# Altium PCB PROC054D_MMWCAS_RF_EVM.PcbDoc (part 13 of 14) (continued)
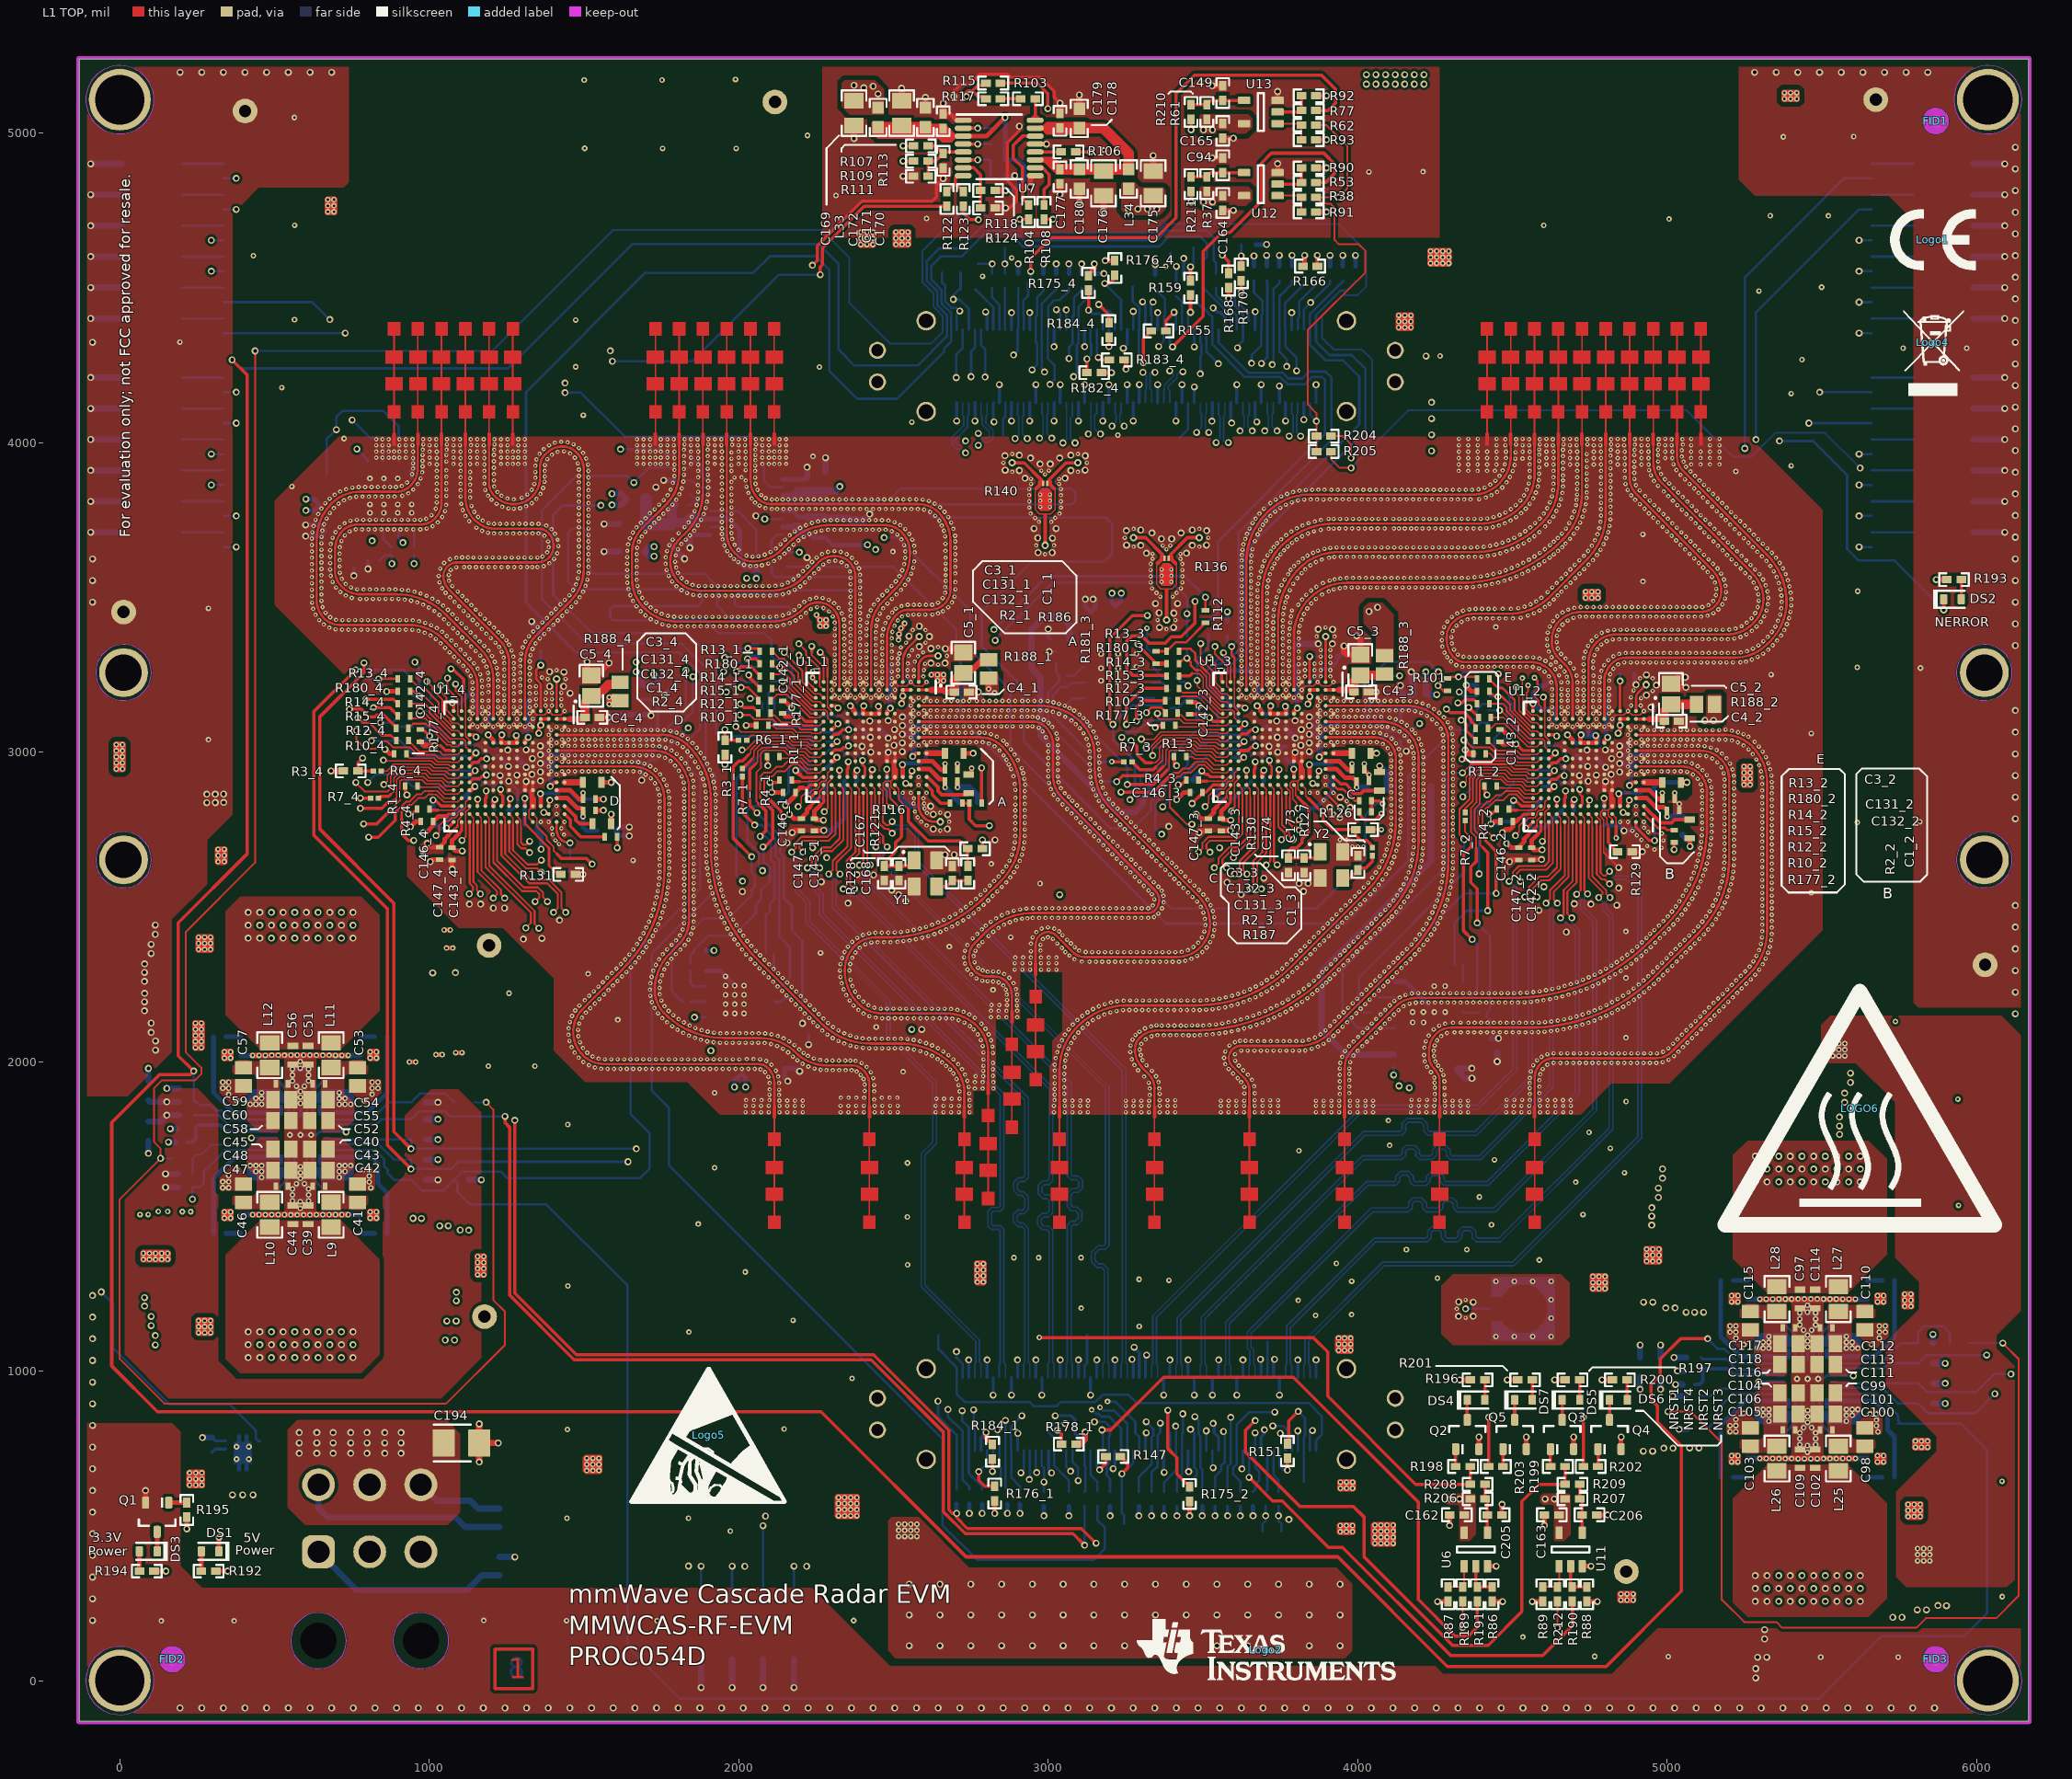
[diagram p0: L1 TOP view]
## Other copper (continued)
  region net GND: 5228.94,1253.21 5232.12,1253.21 5237.92,1247.4 5237.92,1219.74 5232.51,1214.33 5204.88,1214.33 5199.32,1219.9 5199.32,1247.49 5205.05,1253.22 5228.2,1253.22
  region net GND: 5793,749.48 5798.42,744.06 5846.37,744.06 5851.74,749.36 5851.74,778.3 5846.48,783.56 5798,783.56 5792.71,778.28 5793,777.99
  region net AWR_2_1V0_RF1_FILT: 5805.08,436.36 5799.8,431.08 5800.08,430.8 5800.08,382.89 5806.26,376.72 5852.39,376.72 5858.82,383.15 5858.82,431.1 5853.56,436.36
  region net AWR_2_1V0_RF2_FILT: 5774.35,579.38 5769.06,574.1 5769.34,573.81 5769.34,525.91 5775.52,519.73 5821.66,519.73 5828.09,526.16 5828.09,574.12 5822.82,579.38
  region net AWR_1_1V0_RF2_FILT: 2761.15,1302.47 2761.15,1284.2 2767.54,1277.81 2794.49,1277.81 2800.93,1284.25 2800.93,1351 2795.01,1356.92 2766.59,1356.92 2761.14,1351.48 2761.14,1302.48
  region net AWR_2_1V2_FILT: 4755.72,1315.7 4750.43,1310.42 4750.71,1310.13 4750.71,1262.23 4756.89,1256.05 4803.03,1256.05 4809.46,1262.48 4809.46,1310.44 4804.19,1315.7
  region net AWR_3_1V8_FILT: 4929.6,1404.03 4924.32,1398.74 4924.6,1398.46 4924.6,1350.56 4930.78,1344.38 4976.91,1344.38 4983.34,1350.81 4983.34,1398.77 4978.08,1404.03
  region net SYSTEM_5V0: 3939.25,650.91 3988.25,650.91 3993.69,645.46 3993.69,617.04 3987.77,611.12 3939.96,611.12 3934.04,617.04 3934.04,645.7 3939.24,650.9
  region net SYSTEM_5V0: 3938.79,510.36 3987.79,510.36 3993.24,504.92 3993.24,476.5 3987.32,470.57 3939.51,470.57 3933.59,476.5 3933.59,505.16 3938.79,510.35
  region net GND: 4119.13,512.68 4123.93,507.89 4123.93,437.77 4118.78,432.62 4050.85,432.62 4043.44,440.03 4043.44,505.72 4050.4,512.68
  region net AWR_3_1V2_FILT: 3927.84,1110.58 3933.19,1115.94 3982.82,1115.94 3987.48,1111.28 3987.48,1062.72 3981.35,1056.58 3934.18,1056.58 3927.84,1062.92
  region net GND: 2385.84,602.06 2390.64,597.26 2390.64,527.15 2385.49,522 2317.55,522 2310.15,529.4 2310.15,595.1 2317.11,602.06
  region net AWR_1_1V0_RF2_FILT: 1496.65,721.57 1496.65,676.41 1497.73,675.32 1504.94,668.12 1552.12,668.12 1558.09,674.09 1558.09,723.96 1553.52,728.53 1503.61,728.53
  region net GND: 5191.77,1156.41 5191.77,1118.51 5235.66,1074.61 5254.42,1074.61 5260.41,1080.6 5260.41,1137.89 5237.16,1161.14 5196.5,1161.14 5191.77,1156.41
  region net GND: 5716.76,1156.41 5716.76,1118.51 5672.86,1074.61 5654.11,1074.61 5648.11,1080.6 5648.11,1137.89 5671.36,1161.14 5712.03,1161.14 5716.75,1156.41
  region net GND: 5191.77,793.81 5191.77,831.71 5235.66,875.6 5254.42,875.6 5260.41,869.61 5260.41,812.33 5237.16,789.07 5196.5,789.07 5191.77,793.8
  region net GND: 5694.62,799.08 5694.63,860.05 5679.07,875.6 5654.11,875.6 5644.92,866.42 5644.92,822.29 5674.44,792.77 5688.3,792.77
  region net GND: 5434.21,1071.1 5441.91,1063.4 5466.2,1063.4 5473.9,1071.1 5473.9,1113.59 5499.23,1138.92 5499.23,1196.56 5511.8,1209.13 5622.3,1209.13 5629.68,1216.51 5629.68,1242.04 5615.72,1256 5290.2,1256 5273.64,1239.45 5273.64,1223.69 5286.61,1210.72 5392.52,1210.72 5408.48,1194.77 5408.48,1137.52 5434.21,1111.79
  region net GND: 5434.21,879.11 5441.91,886.81 5466.2,886.81 5473.9,879.11 5473.9,836.63 5499.23,811.3 5499.23,753.65 5511.8,741.08 5622.3,741.08 5629.68,733.7 5629.68,708.17 5615.72,694.21 5290.2,694.21 5273.64,710.77 5273.64,726.52 5286.61,739.49 5392.52,739.49 5408.48,755.45 5408.48,812.69 5434.21,838.42
  region net GND: 321.04,1944.26 321.04,1906.36 364.94,1862.47 383.69,1862.47 389.69,1868.46 389.69,1925.74 366.44,1948.99 325.77,1948.99 321.05,1944.27
  region net GND: 846.03,1944.26 846.03,1906.36 802.14,1862.47 783.38,1862.47 777.39,1868.46 777.39,1925.74 800.64,1948.99 841.3,1948.99 846.03,1944.27
  region net GND: 321.04,1581.66 321.04,1619.56 364.94,1663.46 383.69,1663.46 389.69,1657.46 389.69,1600.18 366.44,1576.93 325.77,1576.93 321.05,1581.66
  region net GND: 823.89,1586.94 823.9,1647.9 808.34,1663.46 783.38,1663.46 774.2,1654.27 774.2,1610.14 803.71,1580.62 817.58,1580.62
  region net GND: 563.48,1858.96 571.18,1851.26 595.48,1851.26 603.18,1858.96 603.18,1901.44 628.51,1926.77 628.51,1984.42 641.07,1996.98 751.58,1996.98 758.96,2004.36 758.96,2029.9 745,2043.86 419.47,2043.86 402.92,2027.3 402.92,2011.54 415.88,1998.58 521.8,1998.58 537.75,1982.62 537.75,1925.38 563.48,1899.65
  region net GND: 563.48,1666.97 571.18,1674.67 595.48,1674.67 603.18,1666.97 603.18,1624.48 628.51,1599.15 628.51,1541.51 641.07,1528.94 751.58,1528.94 758.96,1521.56 758.96,1496.03 745,1482.07 419.47,1482.07 402.92,1498.62 402.92,1514.38 415.88,1527.34 521.8,1527.34 537.75,1543.3 537.75,1600.55 563.48,1626.28
  pour cut-out: 5190.73,1216.47 5240.4,1166.8 5240.4,783.76 5190.76,734.11 5190.76,698.93 5201.13,688.55 5707.18,688.55 5717.89,699.27 5717.89,733.99 5668.25,783.63 5668.25,1166.58 5717.88,1216.21 5717.88,1251.17 5707.39,1261.66 5201.13,1261.66 5190.73,1251.25
  region net SYSTEM_3V3: 215.58,674.66 215.58,627.6 222.37,620.82 269.86,620.82 274.57,625.52 274.57,676.3 270.08,680.79 221.71,680.79
  text "6" at 1253.03,7.89 h65
  text ".Layer_Name" at 445.07,-990.08 h60
L7 GND:
  region net AWR_1_1V0_RF2_FILT: 2620.92,3259.25 2665.33,3259.25 2670.56,3254.02 2670.56,3226.92 2665.38,3221.74 2638.48,3221.74 2633.14,3227.07 2633.14,3239.54 2631.24,3241.45 2618.47,3241.45 2613.33,3246.59 2613.33,3251.44
  region net SYSTEM_5V0: 2515.39,514.41 2579.92,514.41 2585.03,509.31 2585.03,461.62 2579.6,456.18 2512.89,456.18 2507.35,461.73 2507.35,508.77 2513,514.41 2515.32,514.41
  region net AWR_1_1V8_FILT: 2509.9,3360.96 2509.9,3384.51 2515.63,3390.24 2515.63,3402.55 2526.45,3413.37 2526.45,3418.78 2532.18,3424.51 2537.8,3424.51 2543.21,3419.1 2543.21,3410.19 2535.36,3402.34 2535.36,3398.41 2526.77,3389.82 2526.77,3375.28 2525.18,3373.69 2525.18,3361.59 2519.87,3356.29
  region net AWR_1_1V0_RF1_FILT: 2242.48,3438.84 2253.42,3427.91 2253.42,3403.17 2258.55,3398.04 2285.85,3398.04 2291.36,3403.54 2291.36,3430.62 2286.08,3435.9 2264.2,3435.9 2260.58,3439.52 2260.58,3446.84 2255.3,3452.12 2247.64,3452.12 2242.48,3446.96
  region net SYSTEM_3V3: 4845.85,289.56 4894.85,289.56 4900.29,284.12 4900.29,255.7 4894.37,249.77 4846.56,249.77 4840.64,255.7 4840.64,284.36 4845.84,289.55
  region net AWR_1_1V0_RF1_FILT: 1146.34,1308.09 1152.4,1302.04 1179.47,1302.04 1186.13,1308.64 1186.13,1374.29 1180.2,1380.21 1151.78,1380.21 1146.34,1374.77
  region net AWR_1_1V2_FILT: 250.75,1173.19 244.84,1167.28 244.84,1120.13 251.44,1113.54 296.41,1113.54 303.01,1120.13 303.01,1166.96 296.78,1173.19
  region net AWR_4_1V2_FILT: 158.43,1351.31 164.02,1356.9 164.02,1385.06 157.98,1391.1 72,1391.1 66.08,1385.18 66.08,1356.76 71.53,1351.31
  region net AWR_1_1V8_FILT: 234.22,2041.49 239.81,2035.9 267.97,2035.9 274.01,2041.94 274.01,2127.92 268.09,2133.84 239.67,2133.84 234.22,2128.39
  region net AWR_4_1V8_FILT: 250.75,2411.83 244.84,2405.92 244.84,2358.78 251.44,2352.18 296.41,2352.18 303.01,2358.78 303.01,2405.6 296.78,2411.83
  region net SYSTEM_1V8: 307.86,2641.07 307.86,2690.07 313.3,2695.51 341.72,2695.51 347.65,2689.59 347.65,2641.78 341.72,2635.86 313.06,2635.86 307.87,2641.06
  region net AWR_4_1V2_FILT: -21.09,2941.66 -15.5,2936.08 12.66,2936.08 18.7,2942.12 18.7,3028.09 12.78,3034.02 -15.64,3034.02 -21.09,3028.57
  region net SYSTEM_1V8: 662.48,4740.5 662.48,4789.5 667.93,4794.94 696.35,4794.94 702.27,4789.02 702.27,4741.22 696.35,4735.29 667.69,4735.29 662.49,4740.49
  region net GND: 2389.91,4689.37 2384.62,4684.08 2384.9,4683.8 2384.9,4635.9 2391.08,4629.72 2437.22,4629.72 2443.65,4636.15 2443.65,4684.1 2438.39,4689.37
  region net SYSTEM_5V0: 2503.12,4689.87 2497.84,4684.58 2498.12,4684.3 2498.12,4636.39 2504.3,4630.22 2550.43,4630.22 2556.87,4636.65 2556.87,4684.6 2551.6,4689.87
  region net SYSTEM_5V0: 4128.16,4421 4122.87,4415.71 4123.16,4415.43 4123.16,4367.52 4129.33,4361.35 4175.47,4361.35 4181.9,4367.78 4181.9,4415.73 4176.64,4421
  region net SYSTEM_3V3: 5428.5,5134.79 5423.08,5140.21 5375.13,5140.21 5369.76,5134.91 5369.76,5105.96 5375.02,5100.7 5423.5,5100.7 5428.78,5105.99 5428.5,5106.27
  region net AWR_2_1V0_RF1_FILT: 4785.96,3522.44 4780.54,3527.86 4732.59,3527.86 4727.22,3522.56 4727.22,3493.62 4732.48,3488.36 4780.96,3488.36 4786.25,3493.64 4785.96,3493.93
  region net AWR_2_1V0_RF2_FILT: 5238.93,2890.61 5244.61,2884.92 5272.41,2884.92 5278.44,2890.95 5278.44,2957.75 5273.13,2963.12 5244.19,2963.12 5238.93,2957.86
  region net AWR_2_1V0_RF1_FILT: 5530.8,2067.9 5525.52,2062.62 5525.8,2062.33 5525.8,2014.43 5531.98,2008.25 5578.11,2008.25 5584.55,2014.69 5584.55,2062.64 5579.28,2067.9
  region net PMIC2_VIN_B3: 5338.43,1070.07 5333.25,1064.89 5287.55,1064.89 5282.54,1069.9 5282.54,1078.84 5324.94,1121.23 5332.95,1121.23 5338.43,1115.76
  region net PMIC2_VIN_B2: 5570.1,1070.07 5575.28,1064.89 5620.98,1064.89 5625.98,1069.9 5625.98,1078.84 5583.59,1121.23 5575.57,1121.23 5570.1,1115.76
  region net PMIC2_VIN_B0: 5570.1,880.14 5575.28,885.32 5620.98,885.32 5625.98,880.31 5625.98,871.38 5583.59,828.98 5575.57,828.98 5570.1,834.46
  region net PMIC2_VIN_B1: 5338.43,880.14 5333.25,885.32 5287.55,885.32 5282.54,880.31 5282.54,871.38 5324.94,828.98 5332.95,828.98 5338.43,834.46
  region net PMIC1_VIN_B3: 467.7,1857.93 462.53,1852.75 416.83,1852.75 411.82,1857.75 411.82,1866.69 454.22,1909.09 462.23,1909.09 467.7,1903.61
  region net PMIC1_VIN_B2: 699.37,1857.93 704.55,1852.75 750.25,1852.75 755.26,1857.75 755.26,1866.69 712.86,1909.09 704.85,1909.09 699.37,1903.61
  region net PMIC1_VIN_B0: 699.37,1668 704.55,1673.18 750.25,1673.18 755.26,1668.17 755.26,1659.23 712.86,1616.84 704.85,1616.84 699.37,1622.31
  region net PMIC1_VIN_B1: 467.7,1668 462.53,1673.18 416.83,1673.18 411.82,1668.17 411.82,1659.23 454.22,1616.84 462.23,1616.84 467.7,1622.31
  region net AWR_2_1V0_RF1_FILT: 5805.08,436.36 5799.8,431.08 5800.08,430.8 5800.08,382.89 5806.26,376.72 5852.39,376.72 5858.82,383.15 5858.82,431.1 5853.56,436.36
  region net AWR_2_1V0_RF2_FILT: 5774.35,579.38 5769.06,574.1 5769.34,573.81 5769.34,525.91 5775.52,519.73 5821.66,519.73 5828.09,526.16 5828.09,574.12 5822.82,579.38
  region net AWR_1_1V0_RF2_FILT: 2761.15,1302.47 2761.15,1284.2 2767.54,1277.81 2794.49,1277.81 2800.93,1284.25 2800.93,1351 2795.01,1356.92 2766.59,1356.92 2761.14,1351.48 2761.14,1302.48
  region net AWR_2_1V2_FILT: 4755.72,1315.7 4750.43,1310.42 4750.71,1310.13 4750.71,1262.23 4756.89,1256.05 4803.03,1256.05 4809.46,1262.48 4809.46,1310.44 4804.19,1315.7
  region net AWR_3_1V8_FILT: 4929.6,1404.03 4924.32,1398.74 4924.6,1398.46 4924.6,1350.56 4930.78,1344.38 4976.91,1344.38 4983.34,1350.81 4983.34,1398.77 4978.08,1404.03
  region net SYSTEM_5V0: 3939.25,650.91 3988.25,650.91 3993.69,645.46 3993.69,617.04 3987.77,611.12 3939.96,611.12 3934.04,617.04 3934.04,645.7 3939.24,650.9
  region net SYSTEM_5V0: 3938.79,510.36 3987.79,510.36 3993.24,504.92 3993.24,476.5 3987.32,470.57 3939.51,470.57 3933.59,476.5 3933.59,505.16 3938.79,510.35
  region net GND: 4119.13,512.68 4123.93,507.89 4123.93,437.77 4118.78,432.62 4050.85,432.62 4043.44,440.03 4043.44,505.72 4050.4,512.68
  region net AWR_3_1V2_FILT: 3927.84,1110.58 3933.19,1115.94 3982.82,1115.94 3987.48,1111.28 3987.48,1062.72 3981.35,1056.58 3934.18,1056.58 3927.84,1062.92
  region net AWR_1_1V0_RF2_FILT: 1496.65,721.57 1496.65,676.41 1497.73,675.32 1504.94,668.12 1552.12,668.12 1558.09,674.09 1558.09,723.96 1553.52,728.53 1503.61,728.53
  pour cut-out: 5312.21,776.26 5312.21,740.08 5315.51,736.78 5394.92,736.78 5399.35,741.21 5399.35,776.68 5396.27,779.76 5315.72,779.76
  pour cut-out: 5508.99,776.26 5508.99,740.08 5512.29,736.78 5591.7,736.78 5596.13,741.21 5596.13,776.68 5593.05,779.76 5512.5,779.76
  pour cut-out: 5508.99,1209.18 5508.99,1173 5512.29,1169.71 5591.7,1169.71 5596.13,1174.14 5596.13,1209.61 5593.05,1212.69 5512.5,1212.69
  pour cut-out: 5312.21,1209.18 5312.21,1173 5315.51,1169.71 5394.92,1169.71 5399.35,1174.14 5399.35,1209.61 5396.27,1212.69 5315.72,1212.69
  pour cut-out: 638.27,1564.11 638.27,1527.93 641.57,1524.64 720.98,1524.64 725.41,1529.07 725.41,1564.54 722.33,1567.62 641.78,1567.62
  pour cut-out: 441.49,1564.11 441.49,1527.93 444.79,1524.64 524.19,1524.64 528.63,1529.07 528.63,1564.54 525.55,1567.62 444.99,1567.62
  pour cut-out: 441.49,1997.04 441.49,1960.86 444.79,1957.56 524.19,1957.56 528.63,1961.99 528.63,1997.46 525.55,2000.54 444.99,2000.54
  pour cut-out: 638.27,1997.04 638.27,1960.86 641.57,1957.56 720.98,1957.56 725.41,1961.99 725.41,1997.46 722.33,2000.54 641.78,2000.54
  pour cut-out: 1317.77,2696.74 1317.77,2690.42 1329.87,2690.53 1329.87,2711.78 1324,2711.78
  pour cut-out: 2192.66,2682.81 2186.34,2682.81 2186.45,2670.7 2207.7,2670.7 2207.7,2676.58
  pour cut-out: 2464.68,2700.17 2458.36,2700.17 2458.47,2688.06 2479.72,2688.06 2479.72,2693.94
  pour cut-out: 4510.66,2588.93 4504.34,2588.93 4504.45,2576.83 4525.7,2576.83 4525.7,2582.7
  region net SYSTEM_3V3: 215.58,674.66 215.58,627.6 222.37,620.82 269.86,620.82 274.57,625.52 274.57,676.3 270.08,680.79 221.71,680.79
  text "7" at 1253.45,6.63 h65
  text ".Layer_Name" at 445.07,-990.08 h60
L8 BOTTOM:
  region net SYSTEM_3V3: 4845.85,289.56 4894.85,289.56 4900.29,284.12 4900.29,255.7 4894.37,249.77 4846.56,249.77 4840.64,255.7 4840.64,284.36 4845.84,289.55
  region net SYSTEM_1V8: 662.48,4740.5 662.48,4789.5 667.93,4794.94 696.35,4794.94 702.27,4789.02 702.27,4741.22 696.35,4735.29 667.69,4735.29 662.49,4740.49
  region net SYSTEM_3V3: 5428.5,5134.79 5423.08,5140.21 5375.13,5140.21 5369.76,5134.91 5369.76,5105.96 5375.02,5100.7 5423.5,5100.7 5428.78,5105.99 5428.5,5106.27
  region net AWR_2_1V0_RF1_FILT: 5530.8,2067.9 5525.52,2062.62 5525.8,2062.33 5525.8,2014.43 5531.98,2008.25 5578.11,2008.25 5584.55,2014.69 5584.55,2062.64 5579.28,2067.9
  region net AWR_1_1V0_RF2_FILT: 2761.15,1302.47 2761.15,1284.2 2767.54,1277.81 2794.49,1277.81 2800.93,1284.25 2800.93,1351 2795.01,1356.92 2766.59,1356.92 2761.14,1351.48 2761.14,1302.48
  region net AWR_2_1V2_FILT: 4755.72,1315.7 4750.43,1310.42 4750.71,1310.13 4750.71,1262.23 4756.89,1256.05 4803.03,1256.05 4809.46,1262.48 4809.46,1310.44 4804.19,1315.7
  region net AWR_3_1V8_FILT: 4929.6,1404.03 4924.32,1398.74 4924.6,1398.46 4924.6,1350.56 4930.78,1344.38 4976.91,1344.38 4983.34,1350.81 4983.34,1398.77 4978.08,1404.03
  region net PMIC2_VIN_B3: 5376.31,1078.65 5362.2,1064.54 5284.85,1064.54 5281.38,1068 5281.38,1101.76 5301.75,1122.13 5387.72,1122.13 5390.67,1119.18 5419.81,1090.03 5419.81,1067.82 5419.81,1036.92 5409.97,1036.92 5409.97,1068.81 5400.13,1078.65
  region net PMIC2_VIN_B2: 5532.22,1078.65 5546.33,1064.54 5623.68,1064.54 5627.14,1068 5627.14,1101.76 5606.77,1122.13 5520.81,1122.13 5517.86,1119.18 5488.71,1090.03 5488.71,1067.82 5488.71,1036.92 5498.55,1036.92 5498.55,1068.81 5508.4,1078.65
  region net PMIC2_VIN_B1: 5376.31,871.56 5362.2,885.67 5284.85,885.67 5281.38,882.21 5281.38,848.45 5301.75,828.08 5387.72,828.08 5390.67,831.03 5419.81,860.18 5419.81,882.39 5419.81,913.3 5409.97,913.3 5409.97,881.41 5400.13,871.56
  region net PMIC2_VIN_B0: 5532.22,871.56 5546.33,885.67 5623.68,885.67 5627.14,882.21 5627.14,848.45 5606.77,828.08 5520.81,828.08 5517.86,831.03 5488.71,860.18 5488.71,882.39 5488.71,913.3 5498.55,913.3 5498.55,881.41 5508.4,871.56
  region net PMIC1_VIN_B0: 661.49,1659.42 675.6,1673.53 752.95,1673.53 756.42,1670.07 756.42,1636.31 736.05,1615.94 650.09,1615.94 647.13,1618.89 617.99,1648.04 617.99,1670.25 617.99,1701.15 627.83,1701.15 627.83,1669.26 637.67,1659.42
  region net PMIC1_VIN_B1: 505.58,1659.42 491.47,1673.53 414.12,1673.53 410.66,1670.07 410.66,1636.31 431.03,1615.94 516.99,1615.94 519.94,1618.89 549.09,1648.04 549.09,1670.25 549.09,1701.15 539.25,1701.15 539.25,1669.26 529.4,1659.42
  region net PMIC1_VIN_B2: 661.49,1866.51 675.6,1852.39 752.95,1852.39 756.42,1855.86 756.42,1889.62 736.05,1909.99 650.09,1909.99 647.13,1907.04 617.99,1877.89 617.99,1855.68 617.99,1824.77 627.83,1824.77 627.83,1856.66 637.67,1866.51
  region net LMK2_3V3: 2154.89,3736.2 2170.48,3736.2 2175.61,3741.33 2195.77,3741.33 2206.87,3730.22 2206.87,3701.21 2197.01,3691.35 2169.2,3718.7 2155.43,3718.7 2152.6,3721.53 2152.6,3734.44 2153.62,3735.46
  region net LMK2_3V3: 2151.79,3838.29 2168.55,3838.29 2185.31,3855.05 2279.32,3855.05 2286.21,3848.15 2286.21,3826.22 2283.75,3823.76 2203.3,3823.76 2197.87,3818.33 2162.76,3818.33 2154.63,3826.47
  region net LMK2_3V3: 1821.48,3755.71 1836.03,3770.26 1869.95,3770.26 1878.63,3761.58 1893.77,3761.58 1893.77,3744.42 1893.54,3744.19 1882.28,3744.19 1863.39,3725.29 1828.18,3725.29 1818.98,3734.49
  pour cut-out: 2722,872 2739.75,889.75 3772.26,889.75 3854,808 3854,754.07 3685.81,585.88 2935.28,585.88 2898.25,622.91 2818.97,622.91 2720.56,721.32 2720.56,870.31
  pour cut-out: 1003.42,3072.36 970.49,3039.43 970.49,3018.45 1003.69,3018.45 1020.95,3035.71 1020.95,3058.82 1018.03,3061.74
  region net PMIC1_VIN_B3: 505.58,1866.51 491.47,1852.39 414.12,1852.39 410.66,1855.86 410.66,1889.62 431.03,1909.99 516.99,1909.99 519.94,1907.04 549.09,1877.89 549.09,1855.68 549.09,1824.77 539.25,1824.77 539.25,1856.66 529.4,1866.51
  pour cut-out: 2538.46,3041.14 2516.96,3041.14 2511.19,3046.9 2511.19,3065.3 2520.14,3074.26 2587.03,3074.26 2592.26,3069.03 2592.26,3036.15 2596.06,3032.35 2547.25,3032.35
  region net GND: 2527.09,3068.09 2575.72,3068.09 2581.95,3061.86 2581.95,3042.83 2577.51,3038.4 2553.71,3038.4 2545.26,3046.84 2523.84,3046.84 2517.79,3052.9 2517.79,3060.58 2525.21,3068 2526.66,3068
  pour cut-out: 4856.46,2947.14 4834.96,2947.14 4829.19,2952.9 4829.19,2971.3 4838.14,2980.26 4905.03,2980.26 4910.26,2975.03 4910.26,2942.15 4914.06,2938.35 4865.25,2938.35
  pour cut-out: 3853.46,3041.14 3831.96,3041.14 3826.19,3046.9 3826.19,3065.3 3835.14,3074.26 3896.47,3074.26 3900.59,3070.13 3900.59,3032.35 3862.25,3032.35
  pour cut-out: 1365.35,2947.14 1346.96,2947.14 1341.19,2952.9 1341.19,2971.3 1350.14,2980.26 1409.93,2980.26 1415,2975.19 1415,2938.35 1374.15,2938.35
  region net GND: 4845.75,2974.75 4892.13,2974.75 4900.92,2965.95 4900.92,2947.22 4897.95,2944.25 4871,2944.25 4862.32,2952.93 4844.61,2952.93 4837.3,2960.24 4837.3,2968.24 4839.47,2970.41
  region net GND: 3842.05,3067.98 3888.48,3067.98 3890.4,3066.06 3890.4,3040.31 3889.15,3039.07 3867.92,3039.07 3859.22,3047.77 3842.28,3047.77 3834.6,3055.45
  region net GND: 1356.16,2972.6 1401.74,2972.6 1405.64,2968.7 1405.64,2945.67 1401.49,2941.53 1383.7,2941.53 1372.25,2952.98 1357.87,2952.98 1350.07,2960.78 1350.31,2961.03 1350.31,2968.46
  pour cut-out: 3643.19,4505.21 3624,4486.02 3624,4485.92 3663.48,4485.92 3665,4484.4
  text "8" at 1253.45,9.16 h65
  text ".Layer_Name" at 445.07,-990.08 h60

## Silkscreen, mask and mechanical layers (free items; w line width, h text height)
Top Overlay:
  circle w10: c2653.03,3214.87 r1.46
  circle w10: c4962.25,3174.79 r1.46
  circle w10: c3957.11,3272.93 r1.46
  circle w10: c1472.79,3163.76 r1.46
  circle w10: c2532.59,2676.81 r1.46
  circle w10: c3845.29,2701.94 r1.46
  lines w6: 423.04,1781.99 448.5,1781.99 459.36,1792.84 ; 707.72,1792.84 718.57,1781.99 744.04,1781.99 ; 2015.77,3320.92 2043.77,3320.92 ; 2332.34,4938.98 2332.34,4951.39 2342.34,4961.38 2507.13,4961.38 ; 3141.02,5026.48 3188.68,5026.48 3205.92,5043.72 ; 3321.38,3093.5 3328.89,3086 3352,3086 ; 3668.24,2669.54 3675.41,2662.38 3741.82,2662.38 ; 4253.97,1016.98 4468.56,1016.98 4483.38,1002.16 ; 4445.75,3005.98 4445.75,2981.4 4432.68,2968.33 4362.08,2968.33 4347.96,2982.45 4347.96,3242.88 4364.32,3259.24 4443.08,3259.24 4454.64,3247.68 4454.64,3104.4 ; 4748.36,1000.98 4759.62,1012.24 5025.79,1012.24 ; 4899.9,871.66 4923.88,871.66 5036.32,759.22 5162.34,759.22 5174.84,771.72 5174.84,792.62 ; 2757.71,3485.51 2859.11,3384.1 3057.1,3384.1 3091.09,3418.09 3091.09,3570.29 3044.01,3617.38 2788.24,3617.38 2757.71,3586.85 2757.71,3485.51
  lines w6.01: 426.48,1732.27 450.83,1732.27 458.48,1724.62 ; 712.07,1737.99 720.84,1746.76 745.04,1746.76 ; 944.93,2996.07 982.13,2996.07 ; 1588.31,2920.15 1615.44,2893.02 1615.44,2758.19 1608.54,2751.29 ; 1625.3,3265.7 1625.3,3335.38 ; 1700.48,3384.1 1672.91,3356.53 1672.91,3172.93 1714.14,3131.7 1818.56,3131.7 1820.77,3131.7 ; 2113.51,3089.5 2157.08,3089.5 ; 2362.29,2651.87 2367.65,2657.23 2439.92,2657.23 ; 2403.8,2681.69 2410.79,2674.7 2496.54,2674.7 2515.65,2693.81 2667,2693.81 2681.98,2678.83 ; 2782.25,3010.69 2821.68,2971.25 2821.68,2844.48 2809.07,2831.87 ; 2786.12,3188.29 2842.17,3188.29 2856.1,3202.22 ; 3388.4,5126.8 3395.26,5133.65 3461.14,5133.65 3467.51,5127.29 ; 3859.81,2776.51 3897.55,2776.51 3958.94,2715.13 4017.83,2715.13 4023.22,2709.74 ; 3990.71,2828.22 3990.71,2786.03 3994.09,2782.65 4070.23,2782.65 4083.47,2795.89 4083.47,2851.3 ; 4965.85,2874.04 4965.85,2814.9 4976.87,2803.88 4976.87,2663.86 5000.58,2640.15 5050.13,2640.15 5086.72,2676.74 ; 5075.6,3098.77 5179.97,3098.77 5190.57,3109.37 ; 5080.41,3214.2 5177.07,3214.2 5184.64,3214.2 5191.66,3207.18 ; 5179.7,3099.94 5180.5,3099.94 5197.24,3116.68 ; 5308.53,994.3 5323.35,994.3 5332.39,1003.34 ; 5308.93,959.38 5327.58,959.38 5336.62,950.34 ; 5578.93,951.25 5587.97,960.29 5611.69,960.29 ; 5579.33,1004.26 5588.37,995.22 5611.41,995.22 ; 3558.04,2536.69 3582.59,2512.13 3582.59,2409.62 3609.6,2382.62 3771.65,2382.62 3817.69,2428.65 3817.69,2545.28 3799.88,2563.08 3764.07,2563.08 3685.68,2641.48 3573.77,2641.48 3558.04,2625.75 3558.04,2536.69 ; 5611.27,2605.83 5636.26,2580.84 5816.72,2580.84 5841.1,2605.21 5841.1,2920.7 5815.33,2946.47 5629.38,2946.47 5611.27,2928.36 5611.27,2605.83
  lines w6.1: 1700.48,3384.1 1827.83,3384.1 1862.51,3349.43 1862.51,3172.05 1822.15,3131.7 1820.77,3131.7 ; 2283.74,4769.46 2283.74,4951.15 2324.41,4991.82 ; 2864.51,4820.27 2889.85,4794.93 2889.85,4733.89 ; 5370.26,2568.68 5370.26,2921.86 5393.9,2945.51 5557.86,2945.51 5575.15,2928.22 5575.15,2572.59 5548.93,2546.37 5392.57,2546.37 5370.26,2568.68
  text "NERROR" at 5864.56,3405.4 h30
  text "A" at 3065.94,3343.26 h30
  text "E" at 4474.86,3226.96 h30
  text "D" at 1790.88,3088.59 h30
  text "E" at 5482.95,2962.08 h30
  text "C" at 3964.79,2848.15 h30
  text "D" at 1582.53,2827.14 h30
  text "A" at 2836.26,2824.62 h30
  text "B" at 4992.45,2589.89 h35
  text "C" at 3520.57,2577.97 h30
  text "B" at 5697.65,2527.19 h35
  text "NRST1" at 5037.95,808.98 h30 r90
  text "NRST4" at 5085.36,807.09 h30 r90
  text "NRST2" at 5132.21,805.65 h30 r90
  text "NRST3" at 5180.48,806.13 h30 r90
  text "3.3V" at -89.1,447.91 h30
  text "5V" at 398.79,446.75 h30
  text "Power" at 372.34,407.16 h30
  text "Power" at -102.79,403.42 h30
  text "mmWave Cascade Radar EVM" at 1450,250 h60
  text "MMWCAS-RF-EVM" at 1450,150 h60
  text "PROC054D" at 1450,50 h60
  text ".Layer_Name" at 446,-989.49 h60
Bottom Overlay:
  circle w6: c2669,1068.58 r9.34
  circle w6: c542.01,423.47 r18.82
  circle w6: c311.73,690.17 r3.11
  lines w6: 277.79,1624 313.68,1624 334.05,1644.36 334.05,1882.26 314.76,1901.55 282.07,1901.55 ; 306.13,2363.74 306.13,2425.26 324.51,2443.64 ; 387.94,1087.03 407.64,1106.72 407.64,1154.69 ; 554.57,2448.13 567.1,2435.6 567.1,2313.29 ; 557.32,1106.96 568.59,1118.23 568.59,1215.51 ; 589.57,1213.58 589.57,1112.55 597.03,1105.09 ; 599.98,2313.29 599.98,2435.6 615.99,2451.62 ; 728.79,1163.91 728.79,1104.24 741.36,1091.67 ; 781.78,2367.49 781.78,2425.26 797.16,2440.64 ; 893.97,1588.83 853.56,1588.83 827.28,1615.11 827.28,1823.54 855.21,1851.47 899.61,1851.47 ; 945.37,3105.47 945.37,3133.19 ; 1244.3,3248.17 1273.25,3219.22 1273.25,3098.6 1264.29,3089.64 1251.2,3089.64 ; 1761.06,3991.09 1734.25,4017.89 1734.25,4191.28 1764.41,4221.43 ; 2548.11,4730.46 2593.13,4685.44 2593.13,4604.4 2626.4,4571.13 ; 2565.68,3188.55 2565.68,3200.84 2590.26,3225.43 2604,3225.43 ; 2694.82,525.06 2694.82,280.21 2732.55,242.48 ; 2831.59,4587.45 2831.59,4719.36 2887.16,4774.93 ; 2885.56,5055.79 2885.56,5097.21 2912.65,5124.29 ; 3769.96,3065.21 3769.96,3053.01 3793.34,3029.63 3793.34,3013.36 3821.81,2984.89 3821.81,2970.65 ; 4026.92,4588.28 4089.13,4650.49 4365.73,4650.49 4462.49,4747.26 4462.49,4794.75 ; 4713.62,3065.03 4713.62,3192.47 4738.96,3217.81 ; 4842.66,3048.72 4851.93,3057.98 4864.15,3057.98 ; 5158.94,840.78 5180.79,840.78 5211.25,871.24 5211.25,1078.76 5185.39,1104.63 5165.84,1104.63 ; 5305.31,273.19 5290.29,288.21 5290.29,391.19 5335.88,436.78 ; 5556.28,1682.51 5565.47,1673.31 5565.47,1519.58 ; 5739.61,1639.65 5749.37,1629.89 5749.37,1587.18 ; 5740.64,800.12 5727.47,800.12 5707.94,819.65 5707.94,1039.67 5729.99,1061.73 5742.92,1061.73 ; 4738.96,3217.81 4738.96,3217.81 ; 1285.67,1325.88 1285.67,1823.89 1349.44,1887.66 1652.96,1887.66 1718.37,1822.25 1718.37,1312.82 1661.22,1255.67 1355.88,1255.67 1285.67,1325.88 ; 1777.23,1306.77 1777.23,1820.65 1842.9,1886.32 2171.26,1886.32 2241.86,1815.73 2241.86,1313.34 2181.11,1252.6 1831.41,1252.6 1777.23,1306.77 ; 2672.45,4449.66 ccw(c2663.12,4449.66) 2672.45,4449.66 ; 4238.74,-20.4 4238.74,443.63 4292.21,497.1 4581.95,497.1 4629.82,449.23 4629.82,-17.03 4587.28,-59.56 4277.91,-59.56 4238.74,-20.4 ; 5311.42,2160.49 5311.42,2563.21 5399.97,2651.75 5770.6,2651.75 5850.11,2572.24 5850.11,2160.49 5796.05,2106.43 5365.48,2106.43 5311.42,2160.49
  lines w6.01: 14.26,1984.82 27.03,1997.59 149.27,1997.59 176.03,1970.83 ; 2400.09,3410.53 2412.18,3398.44 2412.18,3210.34 2403.6,3201.75 ; 3631.92,3551.44 3622.87,3542.39 3622.87,3334.73 3640.89,3316.71 ; 4098.62,3221.52 4098.62,3304.76 ; 4873.32,1113.32 5013.68,1113.32 5046.66,1080.34 ; 5178.36,1577.17 5178.36,1648.9 5185.99,1656.54
  text "GND" at 5594.21,5071.21 h30
  text "GND" at 2288.75,5066.97 h30
  text "GND" at 570.04,5033.07 h30
  text "CONN_MONITOR_2" at 2473.41,4745.09 h35 r270
  text "4_PMIC_CLKOUT" at 3262.5,4696.64 h30
  text "3_DIG_SYNCOUT" at 3393.62,4647.48 h30 r270
  text "3_PMIC_CLKOUT" at 3502.68,4626.13 h30 r270
  text "4_DIG_SYNCOUT" at 2730.05,4612.04 h30 r270
  text "4_TDO" at 2622.58,4587.67 h35 r270
  text "3_TDO" at 3200.91,4495.54 h35 r270
  text "CONN_TP4" at 3547.79,3898.05 h35
  text "CONN_TP3" at 2991.13,3897.38 h35
  text "1_DIG_SYNCOUT" at 1680.5,3868.27 h30
  text "GND" at 188.34,3402.77 h30
  text "R" at 5601.76,2672.34 h30
  text "3_PMIC_CLKOUT" at 5815.62,2533.29 h30
  text "GND" at 6057.1,2437.86 h30
  text "PMIC2_TMPSNS_SCL" at 5819.52,2393.61 h30
  text "GND" at 1358.39,2324.2 h30
  text "PMIC2_TMPSNS_SDA" at 5819.66,2255.15 h30
  text "PMIC_BUCK_EN" at 5770.77,2131.18 h30
  text "Q" at 1507.19,1916.54 h30
  text "Q" at 315.74,1914.63 h30
  text "P" at 1886.62,1903.32 h30
  text "P" at 880.67,1866.26 h30
  text "PMIC_NRST" at 1656.03,1726.51 h30
  text "1_PMIC_CLKOUT" at 2195.12,1725.42 h30
  text "PMIC1_SCL" at 2135.41,1582.33 h30
  text "PMIC1_VANA" at 1673.26,1580.7 h30
  text "PMIC1_SDA" at 2142.9,1445.8 h30
  text "PMIC1_PGOOD" at 1666.63,1442.84 h30
  text "PMIC_BUCK_EN" at 2183.85,1304.05 h30
  text "PMIC1_GPIO2" at 1670.61,1302.33 h30
  text "CONN_TP1" at 3269.36,1205.83 h35
  text "CONN_TP2" at 3856.23,1181.59 h35
  text "CONN_MONITOR_1" at 2614.41,1146.35 h35
  text "GND" at 1346.62,1130.78 h30
  text "R" at 5753.36,1083.6 h30
  text "12XX_3_FMCW_CLKOUT" at 4728.12,1035.66 h30
  text "S" at 5257.82,988.51 h30
  text "2_TDO" at 3868.62,480.32 h35 r270
  text "1_TDO" at 3420.29,425.96 h35
  text "PMIC_NRST" at 4547.82,380.95 h30
  text "2_PMIC_CLKOUT" at 3700.98,357.6 h35
  text "2_DIG_SYNCOUT" at 4170.56,357.47 h35
  text "1_PMIC_CLKOUT" at 3155.4,352.81 h35
  text "GND" at 4778.55,318.04 h30
  text "PMIC2_VANA" at 4587.21,250.31 h30
  text "S" at 4678.84,211.3 h30
  text "PMIC2_PGOOD" at 4597.44,125.51 h30
  text "PMIC2_GPIO2" at 4593.35,-12.94 h30
  text ".Layer_Name" at 446,-989.49 h60
Top Paste:
  text ".Layer_Name" at 446,-989.49 h60
Bottom Paste:
  text ".Layer_Name" at 446,-989.49 h60
Top Solder:
  text ".Layer_Name" at 446,-989.49 h60
  text ".Layer_Name" at 446,-989.49 h60
Bottom Solder:
  text ".Layer_Name" at 446,-989.49 h60
Drill Guide:
  text ".Layer_Name" at 446,-989.49 h60
M1 Board Outline:
  the board outline again, w10
  text ".Layer_Name" at 445.07,-990.08 h60
M2 Board Dimensions:
  text ".Layer_Name" at 445.07,-990.08 h60
M3 3D STEP Top:
  text ".Layer_Name" at 446,-989.49 h60
M4 3D STEP Bottom:
  text ".Layer_Name" at 446,-989.49 h60